# Altium PCB CL-HC-M-V2.2.PcbDoc (part 3 of 18) (continued)
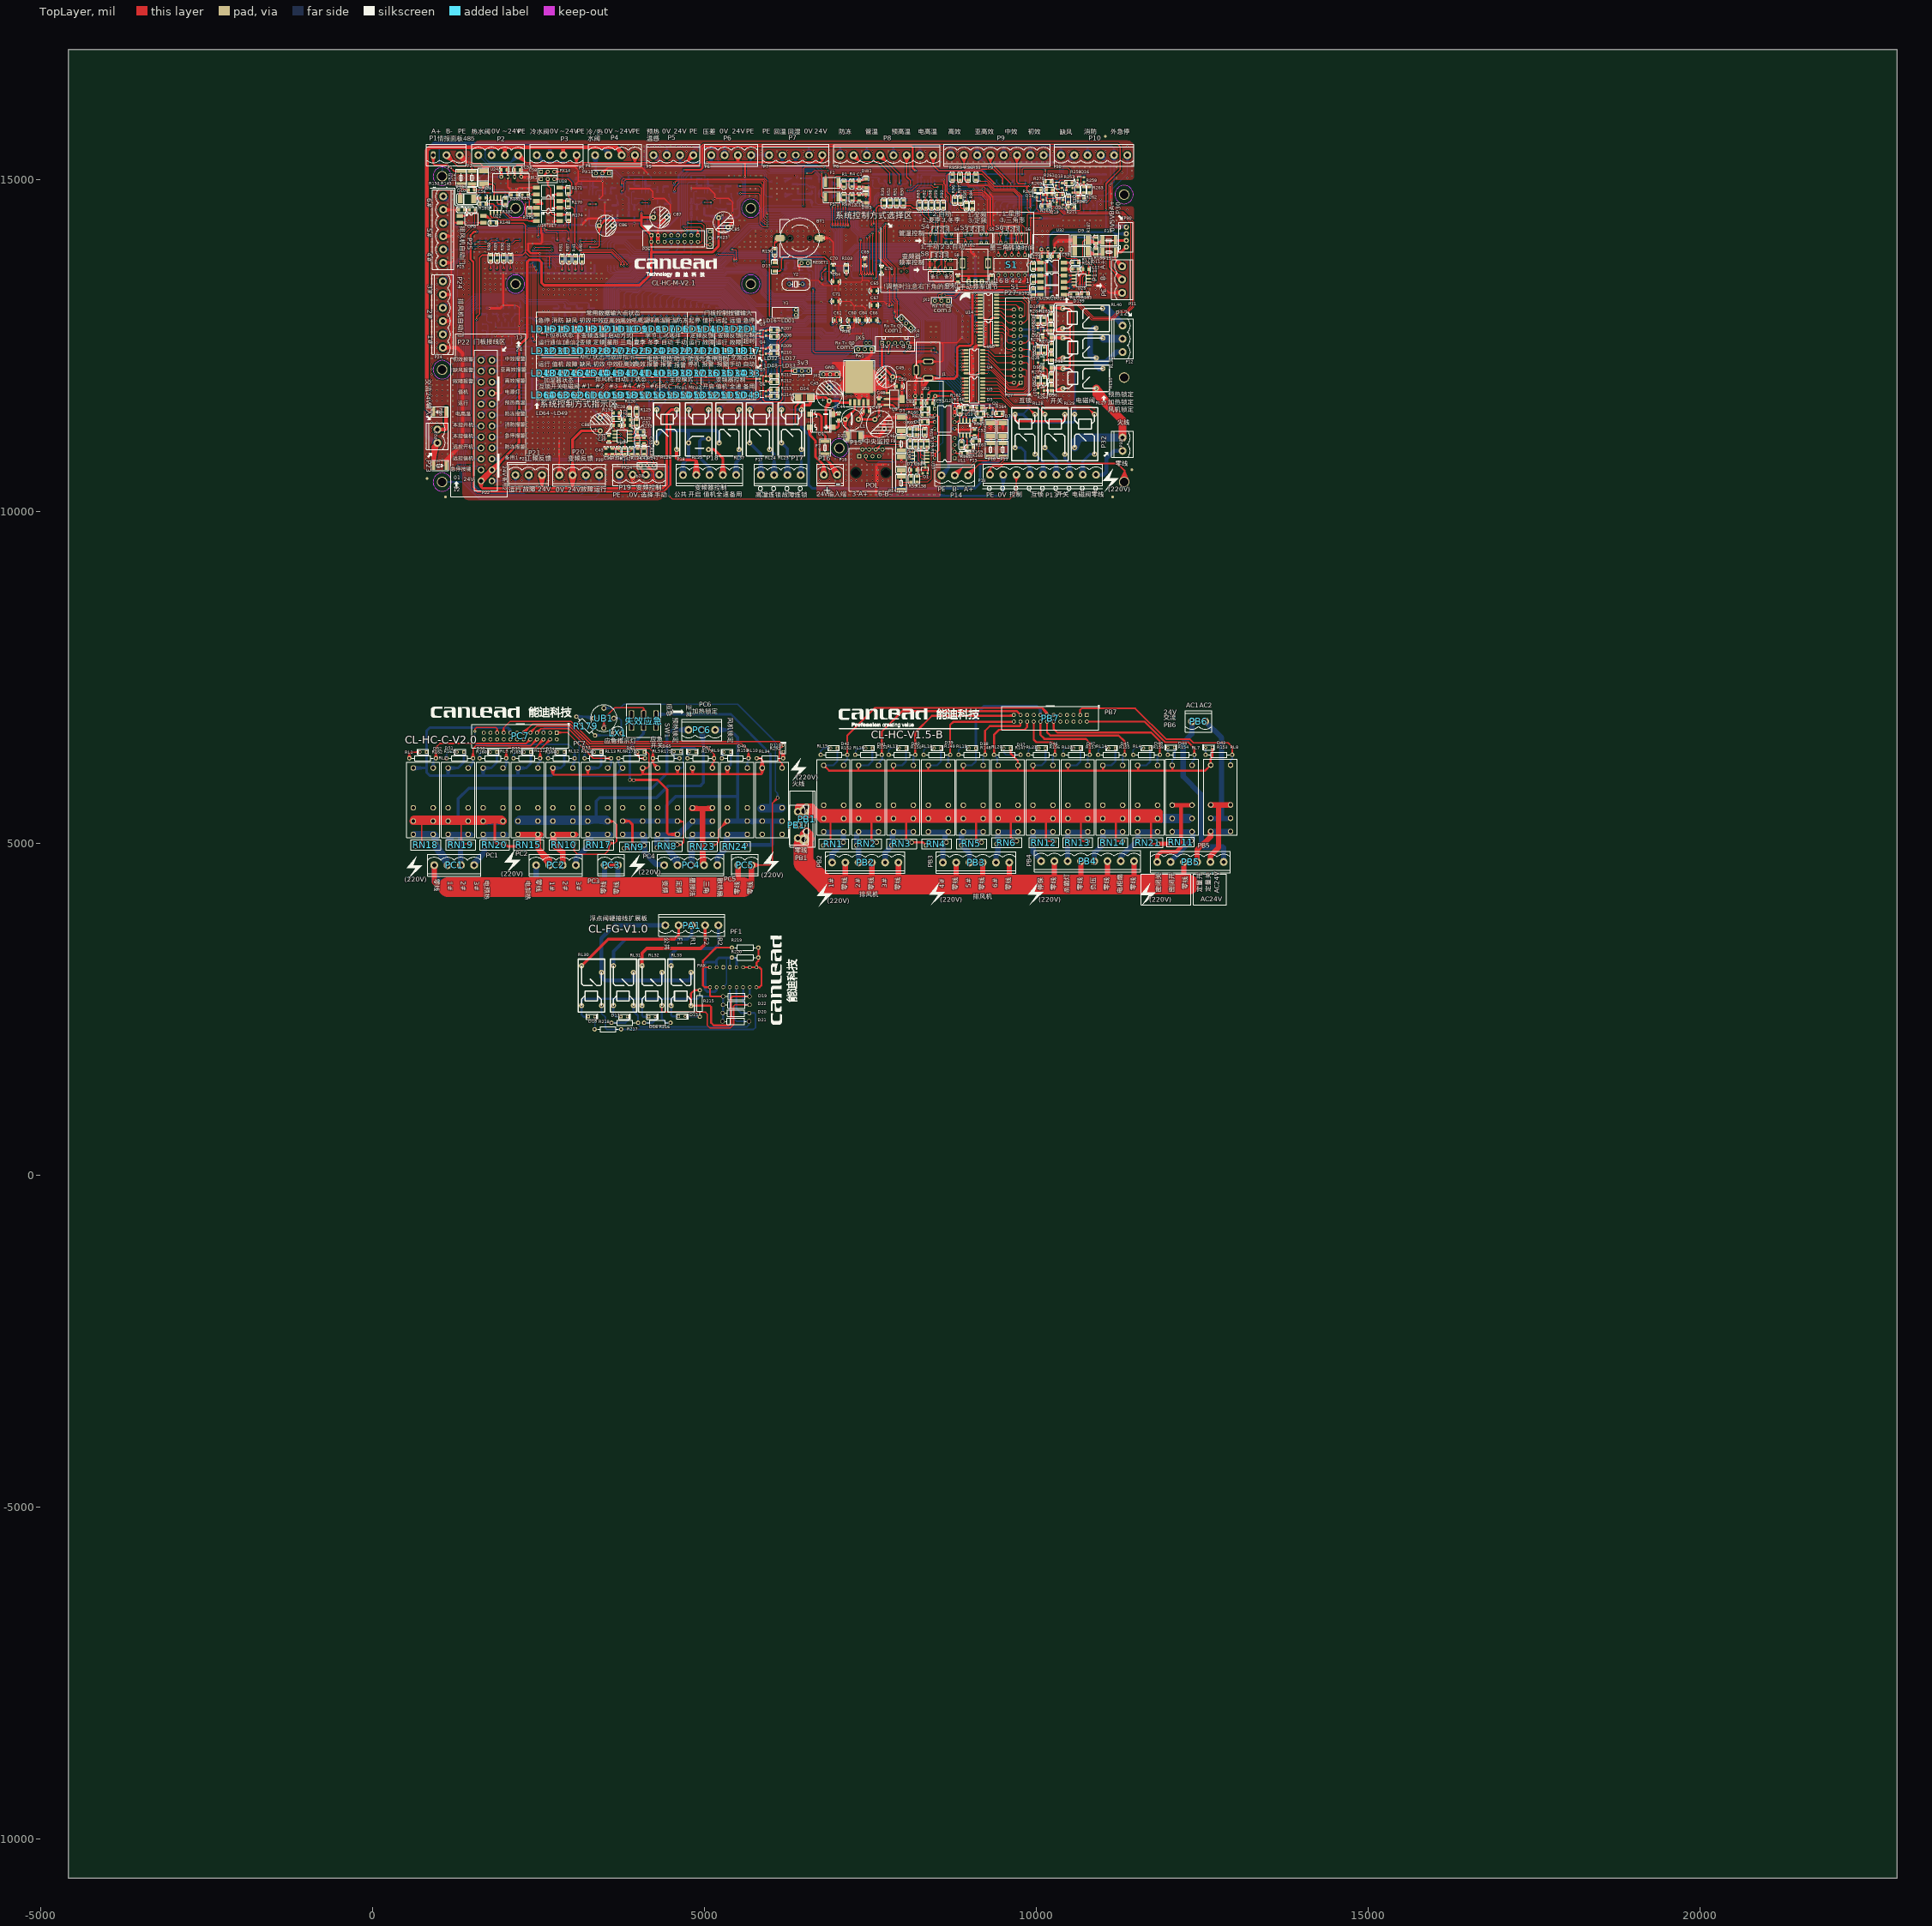
[diagram p0: TopLayer view]
## Nets (pads, with @x,y where several pads share a name; then routed paths per layer and width w, separated by ;. In a path a pad name is that pad's centre, name@x,y a point inside that pad or via, vN(x,y) a via of type N, cw(c..) or ccw(c..) an arc to the next point about the centre after c; other vN are vias at no path point) (continued)
3V-初效: OP1.14 R44.1 U31.12 | length 1269.9
  BottomLayer w10: U31.12@10161.77,14640.37 10171.61,14667.26 ; U31.12@10163.72,14582.48 10198.82,14545.55 ; U31.12@10171.61,14638.63 10171.61,14667.26 ; U31.12@10180.55,14593.11 10198.82,14545.55 ; U31.12@10181.46,14640.37 10171.61,14667.26 ; R44.1@10184.06,14506.77 10198.82,14545.55 ; R44.1@10198.82,14504.06 10198.82,14545.55 ; R44.1@10213.57,14506.77 10198.82,14545.55 ; OP1.14@10654.01,14605.24 10663.86,14632.21 ; OP1.14@10663.86,14573.5 10663.86,14632.21 ; OP1.14@10663.86,14603.5 10663.86,14632.21 ; OP1.14@10673.71,14605.24 10663.86,14632.21 ; 10171.61,14572.75 U31.12@10171.61,14613.63 10171.61,14667.26 ; 10171.61,14572.75 10198.82,14545.55 ; 10171.61,14572.75 10181.1,14585.48 10171.61,14572.75 ; 10171.61,14572.75 10162.12,14585.48 10171.61,14572.75 ; 10171.61,14572.75 U31.12@10171.61,14588.63 ; 10171.61,14572.75 U31.12@10171.61,14588.63 ; U31.12@10171.61,14588.63 10198.82,14545.55 ; 10171.61,14667.26 10204.01,14699.66 10462.67,14699.66 10511.85,14650.48 10645.59,14650.48 10663.86,14632.21
3V-初效报警灯: U8.2 U33.19 | length 5978.7
  BottomLayer w10: U8.2@2557.38,12386.08 2642.33,12386.08 2735.83,12292.58 3413.77,12292.58 3505.28,12384.09 3505.28,13400.09 3656.62,13551.43 3901.37,13551.43 3979.17,13629.23 5288.91,13629.23 5319,13659.32 5824.93,13659.32 5932.61,13551.65 5932.61,13317.8 6019.73,13230.68 6502.48,13230.68 6527.91,13205.26 U33.19@6841.28,13205.26 ; U8.2@2582.38,12386.08 2627.38,12386.08 ; U8.2@2583.49,12376.15 2627.38,12386.08 ; U8.2@2583.49,12396.02 2627.38,12386.08 ; 6776.28,13205.26 U33.19@6811.03,13205.26
3V-加湿器-加湿互锁: U3.7 U33.87 | length 3025.2
  TopLayer w10: v1@8876.07,11702.57 U3.7@8918.09,11700.06 ; v1@8876.07,11717.4 U3.7@8918.09,11719.92 ; v1@8879.59,11702.89 U3.7@8918.09,11719.92 ; v1@8879.59,11717.09 U3.7@8918.09,11700.06 ; U3.7@8944.27,11709.99 v1(8877.18,11709.99) ; v1(8877.18,11709.99) U3.7@8918.09,11700.06 ; v1(8877.18,11709.99) U3.7@8918.09,11719.92 ; v1(8877.18,11709.99) U3.7@8919.27,11709.99 ; U3.7@8919.27,11709.99 8877.85,11717.46 8919.68,11709.99 8877.84,11702.52 U3.7@8919.27,11709.99
  BottomLayer w10: U33.87@7695.61,13264.31 7966.01,13264.31 8349.64,12880.69 8544.97,12880.69 8570.07,12855.58 8570.07,12017.1 v1(8877.18,11709.99) 8843.47,11743.7 ; U33.87@7725.86,13264.31 7760.61,13264.31 ; v1@8871.48,11705.12 8843.47,11743.7 ; v1@8882.05,11715.69 8843.47,11743.7
3V-加湿器-加湿开关: U3.6 U33.86 | length 2998.3
  TopLayer w10: v1@8876.07,11752.57 U3.6@8918.09,11750.06 ; v1@8876.07,11767.4 U3.6@8918.09,11769.92 ; v1@8879.59,11752.89 U3.6@8918.09,11769.92 ; v1@8879.59,11767.09 U3.6@8918.09,11750.06 ; U3.6@8944.27,11759.99 v1(8877.18,11759.99) ; v1(8877.18,11759.99) U3.6@8918.09,11750.06 ; v1(8877.18,11759.99) U3.6@8918.09,11769.92 ; v1(8877.18,11759.99) U3.6@8919.27,11759.99 ; U3.6@8919.27,11759.99 8877.85,11767.46 8919.68,11759.99 8877.84,11752.52 U3.6@8919.27,11759.99
  BottomLayer w10: U33.86@7695.61,13284 7971.78,13284 8357.09,12898.69 8552.42,12898.69 8588.07,12863.04 8588.07,12049.1 v1(8877.18,11759.99) 8843.47,11793.7 ; U33.86@7725.86,13284 7760.61,13284 ; v1@8871.48,11755.12 8843.47,11793.7 ; v1@8882.05,11765.69 8843.47,11793.7
3V-加湿器-加湿电磁阀: U3.5 U33.85 | length 2971.4
  TopLayer w10: v1@8876.07,11802.57 U3.5@8918.09,11800.06 ; v1@8876.07,11817.4 U3.5@8918.09,11819.92 ; v1@8879.59,11802.89 U3.5@8918.09,11819.92 ; v1@8879.59,11817.09 U3.5@8918.09,11800.06 ; U3.5@8944.27,11809.99 v1(8877.18,11809.99) ; v1(8877.18,11809.99) U3.5@8918.09,11800.06 ; v1(8877.18,11809.99) U3.5@8918.09,11819.92 ; v1(8877.18,11809.99) U3.5@8919.27,11809.99 ; U3.5@8919.27,11809.99 8877.85,11817.46 8919.68,11809.99 8877.84,11802.52 U3.5@8919.27,11809.99
  BottomLayer w10: U33.85@7695.61,13303.68 7977.55,13303.68 8364.55,12916.69 8559.88,12916.69 8606.07,12870.49 8606.07,12081.1 v1(8877.18,11809.99) 8843.47,11843.7 ; U33.85@7725.86,13303.68 7760.61,13303.68 ; v1@8871.48,11805.12 8843.47,11843.7 ; v1@8882.05,11815.69 8843.47,11843.7
3V-加热1: U4.4 U33.75 | length 2745.9
  TopLayer w10: v1@8876.07,12276.01 U4.4@8918.09,12273.5 ; v1@8876.07,12290.84 U4.4@8918.09,12293.35 ; v1@8879.59,12276.32 U4.4@8918.09,12293.35 ; v1@8879.59,12290.53 U4.4@8918.09,12273.5 ; U4.4@8944.27,12283.43 v1(8877.18,12283.43) ; v1(8877.18,12283.43) U4.4@8918.09,12273.5 ; v1(8877.18,12283.43) U4.4@8918.09,12293.35 ; v1(8877.18,12283.43) U4.4@8919.27,12283.43 ; U4.4@8919.27,12283.43 8877.85,12290.9 8919.68,12283.43 8877.84,12275.95 U4.4@8919.27,12283.43
  BottomLayer w10: U33.75@7695.61,13500.53 7988.16,13500.53 8428.01,13060.69 8619.52,13060.69 8750.07,12930.14 8750.07,12303.63 8770.28,12283.43 v1(8877.18,12283.43) 8834.68,12283.43 ; U33.75@7725.86,13500.53 7760.61,13500.53 ; v1@8876.52,12275.95 8834.68,12283.43 ; v1@8876.52,12290.9 8834.68,12283.43
3V-加热2: U14.2 U33.50 | length 3222.5
  TopLayer w10: v1@9085.43,13210.08 U14.2@9127.45,13207.57 ; v1@9085.43,13224.91 U14.2@9127.45,13227.42 ; v1@9087.2,13210.02 9129.04,13217.5 v1@9087.2,13224.97 ; v1@9087.21,13210.03 U14.2@9128.64,13217.5 ; v1@9087.21,13224.97 U14.2@9128.64,13217.5 ; v1@9088.95,13210.39 U14.2@9127.45,13227.42 ; v1@9088.95,13224.6 U14.2@9127.45,13207.57 ; U14.2@9153.64,13217.5 v1(9086.54,13217.5) ; v1(9086.54,13217.5) U14.2@9127.45,13207.57 ; v1(9086.54,13217.5) U14.2@9127.45,13227.42 ; v1(9086.54,13217.5) U14.2@9128.64,13217.5
  BottomLayer w10: U33.50@7179.87,13622.58 7179.87,13856.51 7294.79,13971.44 8197.02,13971.44 8312.48,13855.98 8312.48,13589.17 8424.6,13477.05 8689.2,13477.05 8948.75,13217.5 v1(9086.54,13217.5) ; U33.50@7179.87,13652.83 7179.87,13687.58
3V-加热3: U4.6 U33.77 | length 2774.9
  TopLayer w10: v1@8876.07,12176.01 U4.6@8918.09,12173.5 ; v1@8876.07,12190.84 U4.6@8918.09,12193.35 ; v1@8879.59,12176.32 U4.6@8918.09,12193.35 ; v1@8879.59,12190.53 U4.6@8918.09,12173.5 ; U4.6@8944.27,12183.43 v1(8877.18,12183.43) ; v1(8877.18,12183.43) U4.6@8918.09,12173.5 ; v1(8877.18,12183.43) U4.6@8918.09,12193.35 ; v1(8877.18,12183.43) U4.6@8919.27,12183.43 ; U4.6@8919.27,12183.43 8877.85,12190.9 8919.68,12183.43 8877.84,12175.95 U4.6@8919.27,12183.43
  BottomLayer w10: U33.77@7695.61,13461.16 7976.62,13461.16 8413.09,13024.69 8604.61,13024.69 8714.07,12915.23 8714.07,12282.02 8812.67,12183.43 v1(8877.18,12183.43) 8834.68,12183.43 ; U33.77@7725.86,13461.16 7760.61,13461.16 ; v1@8876.52,12175.95 8834.68,12183.43 ; v1@8876.52,12190.9 8834.68,12183.43
3V-变频: U3.1 U33.79 | length 3048.7
  TopLayer w10: v1@8876.08,12002.58 U3.1@8918.09,12000.06 ; v1@8876.08,12017.41 U3.1@8918.09,12019.92 ; v1@8877.85,12017.47 U3.1@8919.69,12009.99 ; v1@8877.86,12017.47 U3.1@8919.27,12009.99 ; v1@8879.6,12002.9 U3.1@8918.09,12019.92 ; v1@8879.6,12017.1 U3.1@8918.09,12000.06 ; U3.1@8944.27,12009.99 v1@8877.18,12009.99 ; v1@8877.18,12009.99 U3.1@8918.09,12000.06 ; v1@8877.18,12009.99 U3.1@8918.09,12019.92 ; v1@8877.18,12009.99 U3.1@8919.27,12009.99 ; v1(8877.19,12010) U3.1@8919.69,12009.99 ; v1(8877.19,12010) U3.1@8918.09,12000.06 ; v1(8877.19,12010) U3.1@8918.09,12019.92 ; v1(8877.19,12010) U3.1@8919.27,12009.99 ; U3.1@8919.27,12009.99 8877.86,12002.53 U3.1@8919.69,12009.99
  BottomLayer w10: U33.79@7695.61,13421.79 7965.08,13421.79 8398.18,12988.69 8589.7,12988.69 8678.07,12900.31 8678.07,12209.12 v1(8877.19,12010) 8843.48,12043.71 ; U33.79@7725.86,13421.79 7760.61,13421.79 ; v1@8871.49,12005.13 8843.48,12043.71 ; v1@8882.06,12015.7 8843.48,12043.71
3V-变频开启: U27.3 U33.92 | length 3727.7
  BottomLayer w10: U27.3@5951.01,12094.94 5960.95,12138.83 ; U27.3@5960.95,12068.83 5960.95,12145.63 6076.29,12260.97 7218.32,12260.97 7261.23,12303.88 8114.58,12303.88 8228.79,12418.08 8228.79,12857.69 7920.59,13165.89 U33.92@7695.61,13165.89 ; U27.3@5960.95,12093.83 5960.95,12138.83 ; U27.3@5970.89,12094.94 5960.95,12138.83 ; U33.92@7725.86,13165.89 7760.61,13165.89
3V-备用: U27.5 U33.90 | length 3745.6
  BottomLayer w10: U27.5@6051.01,12094.94 6060.95,12138.83 ; U27.5@6060.95,12068.83 6060.95,12148.33 6137.59,12224.97 7233.23,12224.97 7276.15,12267.88 8129.5,12267.88 8271.14,12409.53 8271.14,12875.24 7941.12,13205.26 U33.90@7695.61,13205.26 ; U27.5@6060.95,12093.83 6060.95,12138.83 ; U27.5@6070.89,12094.94 6060.95,12138.83 ; U33.90@7725.86,13205.26 7760.61,13205.26
3V-外急停开关: OP1.12 R43.1 R263.2 U31.13 | length 2505.8
  TopLayer w10: v1@10757.9,14668.29 10796.48,14696.3 v1@10768.47,14657.72 ; v1@10763.86,14661.5 v1(10762.77,14662.59) 10804.7,14704.52 R263.2@10804.7,14806.55 ; R263.2@10789.86,14804.3 10804.7,14756.55 R263.2@10819.53,14804.3
  BottomLayer w10: R43.1@10096.13,14507.2 10110.9,14547.03 ; R43.1@10110.9,14504.55 10110.9,14547.03 ; U31.13@10111.75,14587.01 10121.61,14557.74 ; U31.13@10111.72,14640.06 10121.61,14673.43 ; U31.13@10121.61,14588.63 10121.61,14557.74 ; U31.13@10121.61,14638.63 10121.61,14673.43 ; R43.1@10125.66,14507.2 10110.9,14547.03 ; U31.13@10131.48,14587.01 10121.61,14557.74 ; U31.13@10131.51,14640.06 10121.61,14673.43 ; OP1.12@10753.92,14604.61 10763.86,14648.5 ; v1@10755.27,14662.91 10757.16,14618.93 ; v1@10755.52,14660.64 10770.24,14620.33 ; v1@10760.94,14655.32 10716.09,14670.48 ; v1@10763.43,14670.06 10716.09,14670.48 ; OP1.12@10763.86,14573.5 v1@10763.86,14661.5 ; OP1.12@10763.86,14603.5 10763.86,14648.5 ; v1@10770.1,14661 10757.16,14618.93 ; v1@10770.24,14663.24 10770.24,14620.33 ; OP1.12@10773.8,14604.61 10763.86,14648.5 ; 10110.9,14547.03 10121.61,14557.74 ; 10121.61,14557.74 U31.13@10121.61,14613.63 10121.61,14673.43 ; 10121.61,14673.43 10167.84,14719.66 10470.96,14719.66 10520.13,14670.48 10754.88,14670.48 v1(10762.77,14662.59) ; 10716.09,14670.48 v1(10762.77,14662.59) ; v1@10755.71,14660.05 10763.86,14648.5 ; v1@10755.71,14660.05 10763.86,14648.5 ; v1@10755.71,14660.05 10763.86,14648.5 ; 10757.16,14618.93 v1(10762.77,14662.59) ; v1(10762.77,14662.59) 10763.86,14620.05 ; v1(10762.77,14662.59) 10763.86,14648.5 ; v1(10762.77,14662.59) 10770.24,14620.33 ; v1(10762.77,14662.59) 10763.86,14648.5 ; v1(10762.77,14662.59) 10763.86,14648.5 ; v1(10762.77,14662.59) 10763.86,14620.06 ; 10763.86,14620.05 10770.25,14662.12 10763.86,14620.06 ; 10763.86,14620.05 10755.32,14661.74 10763.86,14620.06 ; 10763.86,14648.5 v1@10770.13,14661.16 ; 10763.86,14648.5 v1@10770.13,14661.16 ; 10763.86,14648.5 v1@10770.13,14661.16
3V-外接急停报警: U25.6 U33.2 | length 6028.6
  BottomLayer w10: U25.6@2557.38,11716.61 2841.9,11716.61 3219.88,12094.58 3495.78,12094.58 3703.28,12302.08 3703.28,13318.08 3734.63,13349.43 3979.38,13349.43 4046.87,13416.92 5326.59,13416.92 5403.99,13339.52 5932.28,12811.22 6528.18,12811.22 6587.57,12870.61 U33.2@6841.28,12870.61 ; U25.6@2582.38,11716.61 2627.38,11716.61 ; U25.6@2583.49,11706.67 2627.38,11716.61 ; U25.6@2583.49,11726.54 2627.38,11716.61 ; 6776.28,12870.61 U33.2@6811.03,12870.61
3V-定量阀: U4.7 U33.78 | length 2789.3
  TopLayer w10: v1@8876.07,12126.01 U4.7@8918.09,12123.5 ; v1@8876.07,12140.84 U4.7@8918.09,12143.35 ; v1@8879.59,12126.32 U4.7@8918.09,12143.35 ; v1@8879.59,12140.53 U4.7@8918.09,12123.5 ; U4.7@8944.27,12133.43 v1(8877.18,12133.43) ; v1(8877.18,12133.43) U4.7@8918.09,12123.5 ; v1(8877.18,12133.43) U4.7@8918.09,12143.35 ; v1(8877.18,12133.43) U4.7@8919.27,12133.43 ; U4.7@8919.27,12133.43 8877.85,12140.9 8919.68,12133.43 8877.84,12125.95 U4.7@8919.27,12133.43
  BottomLayer w10: U33.78@7695.61,13441.48 7970.85,13441.48 8405.64,13006.69 8597.16,13006.69 8696.07,12907.77 8696.07,12271.42 8834.06,12133.43 v1(8877.18,12133.43) 8834.68,12133.43 ; U33.78@7725.86,13441.48 7760.61,13441.48 ; v1@8876.52,12125.95 8834.68,12133.43 ; v1@8876.52,12140.9 8834.68,12133.43
3V-定频: U3.2 U33.80 | length 2906.9
  TopLayer w10: v1@8876.07,11952.57 U3.2@8918.09,11950.06 ; v1@8876.07,11967.4 U3.2@8918.09,11969.92 ; v1@8879.59,11952.89 U3.2@8918.09,11969.92 ; v1@8879.59,11967.09 U3.2@8918.09,11950.06 ; U3.2@8944.27,11959.99 v1(8877.18,11959.99) ; v1(8877.18,11959.99) U3.2@8918.09,11950.06 ; v1(8877.18,11959.99) U3.2@8918.09,11969.92 ; v1(8877.18,11959.99) U3.2@8919.27,11959.99 ; U3.2@8919.27,11959.99 8877.85,11967.46 8919.68,11959.99 8877.84,11952.52 U3.2@8919.27,11959.99
  BottomLayer w10: U33.80@7695.61,13402.11 7959.3,13402.11 8390.73,12970.69 8582.24,12970.69 8660.07,12892.86 8660.07,12177.1 v1(8877.18,11959.99) 8843.47,11993.7 ; U33.80@7725.86,13402.11 7760.61,13402.11 ; v1@8871.48,11955.12 8843.47,11993.7 ; v1@8882.05,11965.69 8843.47,11993.7
3V-密闭阀: U4.5 U33.76 | length 2758.4
  TopLayer w10: v1@8876.07,12226.01 U4.5@8918.09,12223.5 ; v1@8876.07,12240.84 U4.5@8918.09,12243.35 ; v1@8879.59,12226.32 U4.5@8918.09,12243.35 ; v1@8879.59,12240.53 U4.5@8918.09,12223.5 ; U4.5@8944.27,12233.43 v1(8877.18,12233.43) ; v1(8877.18,12233.43) U4.5@8918.09,12223.5 ; v1(8877.18,12233.43) U4.5@8918.09,12243.35 ; v1(8877.18,12233.43) U4.5@8919.27,12233.43 ; U4.5@8919.27,12233.43 8877.85,12240.9 8919.68,12233.43 8877.84,12225.95 U4.5@8919.27,12233.43
  BottomLayer w10: U33.76@7695.61,13480.85 7982.39,13480.85 8420.55,13042.69 8612.07,13042.69 8732.07,12922.68 8732.07,12296.18 8794.82,12233.43 v1(8877.18,12233.43) 8834.68,12233.43 ; U33.76@7725.86,13480.85 7760.61,13480.85 ; v1@8876.52,12225.95 8834.68,12233.43 ; v1@8876.52,12240.9 8834.68,12233.43
3V-排风机1: OP5.10 R91.1 U28.3 | length 1200.4
  TopLayer w10: R91.1@2062.54,13776.11 2077.38,13728.36 R91.1@2092.21,13776.11 ; v1@2069.9,13654.02 2077.38,13695.86 v1@2084.85,13654.02 ; v1(2077.38,13653.36) R91.1@2077.38,13778.36
  BottomLayer w10: OP5.10@2067.87,13731.54 2077.76,13763.35 ; v1@2069.9,13654.02 2077.38,13695.86 v1@2084.85,13654.02 ; v1@2070.11,13655.21 OP5.10@2077.76,13670.04 ; v1@2070.35,13650.72 OP5.10@2068.15,13667.26 ; OP5.10@2072.47,13659.03 OP5.10@2087.23,13666.82 ; OP5.10@2077.38,13718.36 v1(2077.38,13653.36) ; OP5.10@2077.76,13700.04 2077.76,13763.35 ; OP5.10@2077.76,13730.04 2077.76,13763.35 ; OP5.10@2082.53,13658.8 OP5.10@2068.15,13667.26 ; v1@2084.27,13650.4 OP5.10@2087.23,13666.82 ; v1@2084.72,13654.87 OP5.10@2077.76,13670.04 ; OP5.10@2087.65,13731.54 2077.76,13763.35 ; U28.3@2316.58,13778.42 2272.69,13788.36 ; U28.3@2316.58,13798.3 2272.69,13788.36 ; U28.3@2317.69,13788.36 2272.69,13788.36 ; U28.3@2342.69,13788.36 2102.77,13788.36 2077.76,13763.35 ; OP5.10@2068.15,13667.26 v1(2077.38,13653.36) ; OP5.10@2068.15,13667.26 v1(2077.38,13653.36) ; v1(2077.38,13653.36) OP5.10@2087.23,13666.82 ; v1(2077.38,13653.36) OP5.10@2077.76,13670.04
3V-排风机2: OP5.12 R90.1 U28.4 | length 1312.1
  TopLayer w10: R90.1@1962.54,13776.11 1977.38,13728.36 R90.1@1992.21,13776.11 ; v1@1969.9,13654.02 1977.38,13695.86 v1@1984.85,13654.02 ; v1(1977.38,13653.36) R90.1@1977.38,13778.36
  BottomLayer w10: OP5.12@1967.89,13731.66 1977.76,13760.85 ; v1@1969.9,13654.02 1977.38,13695.86 v1@1984.85,13654.02 ; v1@1970.11,13655.21 OP5.12@1977.76,13670.04 ; v1@1970.35,13650.72 OP5.12@1968.15,13667.26 ; OP5.12@1972.47,13659.03 OP5.12@1987.23,13666.82 ; OP5.12@1977.38,13718.36 v1(1977.38,13653.36) ; OP5.12@1977.76,13700.04 1977.76,13760.85 ; OP5.12@1977.76,13730.04 1977.76,13760.85 ; OP5.12@1982.53,13658.8 OP5.12@1968.15,13667.26 ; v1@1984.27,13650.4 OP5.12@1987.23,13666.82 ; v1@1984.72,13654.87 OP5.12@1977.76,13670.04 ; OP5.12@1987.63,13731.66 1977.76,13760.85 ; U28.4@2316.58,13828.42 2272.69,13838.36 ; U28.4@2316.58,13848.3 2272.69,13838.36 ; U28.4@2317.69,13838.36 2272.69,13838.36 ; U28.4@2342.69,13838.36 2231.57,13838.36 2201.57,13808.36 2025.27,13808.36 1977.76,13760.85 ; OP5.12@1968.15,13667.26 v1(1977.38,13653.36) ; OP5.12@1968.15,13667.26 v1(1977.38,13653.36) ; v1(1977.38,13653.36) OP5.12@1987.23,13666.82 ; v1(1977.38,13653.36) OP5.12@1977.76,13670.04
3V-排风机3: OP5.14 R89.1 U28.5 | length 1483.9
  TopLayer w10: R89.1@1862.54,13776.11 1877.38,13728.36 R89.1@1892.21,13776.11 ; v1@1869.9,13654.02 1877.38,13695.86 v1@1884.85,13654.02 ; v1(1877.38,13653.36) R89.1@1877.38,13778.36
  BottomLayer w10: OP5.14@1867.82,13731.15 1877.76,13775.04 ; v1@1869.9,13654.02 1877.38,13695.86 v1@1884.85,13654.02 ; v1@1870.11,13655.21 OP5.14@1877.76,13670.04 ; v1@1870.35,13650.72 OP5.14@1868.15,13667.26 ; OP5.14@1872.47,13659.03 OP5.14@1887.23,13666.82 ; OP5.14@1877.38,13718.36 v1(1877.38,13653.36) ; OP5.14@1877.76,13700.04 1877.76,13775.37 1930.75,13828.36 2192.66,13828.36 2252.66,13888.36 U28.5@2342.69,13888.36 ; OP5.14@1877.76,13730.04 1877.76,13775.04 ; OP5.14@1882.53,13658.8 OP5.14@1868.15,13667.26 ; v1@1884.27,13650.4 OP5.14@1887.23,13666.82 ; v1@1884.72,13654.87 OP5.14@1877.76,13670.04 ; OP5.14@1887.7,13731.15 1877.76,13775.04 ; U28.5@2316.58,13878.42 2272.69,13888.36 ; U28.5@2316.58,13898.3 2272.69,13888.36 ; U28.5@2317.69,13888.36 2272.69,13888.36 ; OP5.14@1868.15,13667.26 v1(1877.38,13653.36) ; OP5.14@1868.15,13667.26 v1(1877.38,13653.36) ; v1(1877.38,13653.36) OP5.14@1887.23,13666.82 ; v1(1877.38,13653.36) OP5.14@1877.76,13670.04
3V-排风机4: OP5.16 R88.1 U28.6 | length 1523.6
  TopLayer w10: R88.1@1762.93,13776.11 1777.76,13728.36 R88.1@1792.59,13776.11 ; v1@1770.29,13654.02 1777.76,13695.86 v1@1785.23,13654.02 ; v1(1777.76,13653.36) R88.1@1777.76,13778.36
  BottomLayer w10: OP5.16@1767.88,13731.57 1777.76,13762.67 ; v1@1770.29,13654.02 1777.76,13695.86 v1@1785.23,13654.02 ; v1@1770.45,13655.04 OP5.16@1777.76,13670.04 ; v1@1770.8,13650.56 OP5.16@1768.22,13667.04 ; OP5.16@1772.73,13658.92 OP5.16@1787.3,13667.04 ; OP5.16@1777.76,13730.04 1777.76,13762.67 ; OP5.16@1782.79,13658.92 OP5.16@1768.22,13667.04 ; v1@1784.72,13650.56 OP5.16@1787.3,13667.04 ; v1@1785.07,13655.04 OP5.16@1777.76,13670.04 ; OP5.16@1787.64,13731.57 1777.76,13762.67 ; U28.6@2316.57,13928.42 2273.18,13938.36 ; U28.6@2316.57,13948.29 2273.18,13938.36 ; U28.6@2317.69,13938.36 2273.18,13938.36 ; U28.6@2342.69,13938.36 2273.18,13938.36 ; OP5.16@1768.22,13667.04 v1(1777.76,13653.36) ; v1(1777.76,13653.36) OP5.16@1777.76,13700.04 1777.76,13762.67 ; v1(1777.76,13653.36) OP5.16@1787.3,13667.04 ; v1(1777.76,13653.36) OP5.16@1777.76,13670.04 ; 1777.76,13762.67 1863.45,13848.36 2183.18,13848.36 2273.18,13938.36
3V-排风机5: OP4.14 R87.1 U28.13 | length 1566.9
  TopLayer w10: R87.1@2942.54,13762.38 2957.38,13714.63 R87.1@2972.21,13762.38 ; v1@2949.9,13639.02 2957.38,13680.86 v1@2964.85,13639.02 ; v1(2957.38,13638.36) R87.1@2957.38,13764.63
  BottomLayer w10: U28.13@2592.69,13838.36 2664.63,13838.36 2742.95,13760.04 2940.85,13760.04 ; U28.13@2617.69,13838.36 2662.69,13838.36 ; U28.13@2618.8,13828.42 2662.69,13838.36 ; U28.13@2618.8,13848.3 2662.69,13838.36 ; OP4.14@2943.01,13727.83 2940.85,13760.04 ; v1@2949.88,13638.15 OP4.14@2952.76,13670.04 ; v1@2949.9,13639.02 2957.38,13680.86 v1@2964.85,13639.02 ; v1@2950.18,13640.48 OP4.14@2962.76,13669.92 ; v1@2950.31,13635.85 OP4.14@2943.21,13667.07 ; OP4.14@2952.76,13700.04 2952.76,13748.12 ; OP4.14@2957.38,13702.95 v1(2957.38,13638.36) ; OP4.14@2961.37,13735.12 2940.85,13760.04 ; v1@2963.67,13642.44 OP4.14@2943.21,13667.07 ; v1@2964.62,13640.3 OP4.14@2952.76,13670.04 ; v1@2964.87,13637.97 OP4.14@2962.76,13669.92 ; 2940.85,13760.04 2952.76,13748.12 ; 2940.85,13760.04 OP4.14@2952.76,13730.04 ; OP4.14@2943.21,13667.07 v1(2957.38,13638.36) ; OP4.14@2943.21,13667.07 v1(2957.38,13638.36) ; OP4.14@2952.76,13670.04 v1(2957.38,13638.36) ; OP4.14@2952.76,13730.04 2952.76,13748.12 ; OP4.14@2952.76,13730.04 2952.76,13748.12 ; 2952.76,13748.12 2943.15,13732.8 2952.76,13748.12 ; 2952.76,13748.12 2962.37,13732.8 2952.76,13748.12 ; v1(2957.38,13638.36) OP4.14@2962.76,13669.92
3V-排风机6: OP4.16 R81.1 U28.14 | length 1270.6
  TopLayer w10: R81.1@2842.54,13762.38 2857.38,13714.63 R81.1@2872.21,13762.38 ; v1@2849.9,13639.02 2857.38,13680.86 v1@2864.85,13639.02 ; v1(2857.38,13638.36) R81.1@2857.38,13764.63
  BottomLayer w10: U28.14@2592.69,13788.36 2686.53,13788.36 2774.85,13700.04 OP4.16@2852.76,13700.04 ; U28.14@2617.69,13788.36 2662.69,13788.36 ; U28.14@2618.8,13778.42 2662.69,13788.36 ; U28.14@2618.8,13798.3 2662.69,13788.36 ; v1@2849.88,13638.15 OP4.16@2852.76,13670.04 ; v1@2849.9,13639.02 2857.38,13680.86 v1@2864.85,13639.02 ; v1@2850.18,13640.48 OP4.16@2862.76,13669.92 ; v1@2850.31,13635.85 OP4.16@2843.21,13667.07 ; OP4.16@2851.65,13690.1 2807.76,13700.04 OP4.16@2851.65,13709.98 ; OP4.16@2857.38,13702.95 v1(2857.38,13638.36) ; v1@2863.67,13642.44 OP4.16@2843.21,13667.07 ; v1@2864.62,13640.3 OP4.16@2852.76,13670.04 ; v1@2864.87,13637.97 OP4.16@2862.76,13669.92 ; OP4.16@2843.21,13667.07 v1(2857.38,13638.36) ; OP4.16@2852.76,13670.04 v1(2857.38,13638.36) ; v1(2857.38,13638.36) OP4.16@2862.76,13669.92
3V-控制-排风机1: U14.1 U33.49 | length 3570.8
  TopLayer w10: v1@9085.44,13260.09 U14.1@9127.45,13257.57 ; v1@9085.44,13274.92 U14.1@9127.45,13277.42 ; v1@9088.96,13260.4 U14.1@9127.45,13277.42 ; v1@9088.97,13274.61 U14.1@9127.45,13257.57 ; U14.1@9153.64,13267.5 v1(9086.55,13267.51) ; v1(9086.55,13267.51) U14.1@9127.45,13257.57 ; v1(9086.55,13267.51) U14.1@9127.45,13277.42 ; v1(9086.55,13267.51) U14.1@9128.64,13267.5 ; v1(9086.55,13267.51) U14.1@9129.05,13267.5 ; v1(9086.55,13267.51) U14.1@9127.45,13257.57 ; v1(9086.55,13267.51) U14.1@9127.45,13277.42 ; v1(9086.55,13267.51) U14.1@9128.64,13267.5 ; U14.1@9128.64,13267.5 9087.22,13274.98 U14.1@9129.05,13267.5 ; U14.1@9128.64,13267.5 9087.22,13260.04 U14.1@9129.05,13267.5
  BottomLayer w10: U33.49@7160.18,13622.58 7160.18,13862.28 7287.33,13989.44 8204.47,13989.44 8330.48,13863.43 8330.48,13596.63 8432.06,13495.05 8696.66,13495.05 8956.21,13235.5 9054.54,13235.5 ; U33.49@7160.18,13652.83 7160.18,13687.58 ; v1@9080.83,13272.35 9054.54,13235.5 ; v1@9091.4,13261.78 9054.54,13235.5 ; 9054.54,13235.5 v1(9086.55,13267.51) 9054.54,13235.5
3V-控制-排风机2: U14.3 U33.53 | length 3291.5
  TopLayer w10: v1@9085.43,13160.08 U14.3@9127.45,13157.57 ; v1@9085.43,13174.91 U14.3@9127.45,13177.42 ; v1@9087.2,13160.02 9129.04,13167.5 v1@9087.2,13174.97 ; v1@9087.21,13160.03 U14.3@9128.64,13167.5 ; v1@9087.21,13174.97 U14.3@9128.64,13167.5 ; v1@9088.95,13160.39 U14.3@9127.45,13177.42 ; v1@9088.95,13174.6 U14.3@9127.45,13157.57 ; U14.3@9153.64,13167.5 v1(9086.54,13167.5) ; v1(9086.54,13167.5) U14.3@9127.45,13157.57 ; v1(9086.54,13167.5) U14.3@9127.45,13177.42 ; v1(9086.54,13167.5) U14.3@9128.64,13167.5
  BottomLayer w10: U33.53@7238.92,13622.58 7238.92,13847.64 7344.72,13953.44 8189.56,13953.44 8294.48,13848.52 8294.48,13581.72 8417.14,13459.05 8681.75,13459.05 8973.3,13167.5 v1(9086.54,13167.5) 9044.04,13167.5 ; U33.53@7238.92,13652.83 7238.92,13687.58 ; v1@9085.88,13160.02 9044.04,13167.5 ; v1@9085.88,13174.97 9044.04,13167.5
3V-控制-排风机3: U14.4 U33.54 | length 3274.2
  TopLayer w10: v1@9085.43,13110.08 U14.4@9127.45,13107.57 ; v1@9085.43,13124.91 U14.4@9127.45,13127.42 ; v1@9087.2,13110.02 9129.04,13117.5 v1@9087.2,13124.97 ; v1@9087.21,13110.03 U14.4@9128.64,13117.5 ; v1@9087.21,13124.97 U14.4@9128.64,13117.5 ; v1@9088.95,13110.39 U14.4@9127.45,13127.42 ; v1@9088.95,13124.6 U14.4@9127.45,13107.57 ; U14.4@9153.64,13117.5 v1(9086.54,13117.5) ; v1(9086.54,13117.5) U14.4@9127.45,13107.57 ; v1(9086.54,13117.5) U14.4@9127.45,13127.42 ; v1(9086.54,13117.5) U14.4@9128.64,13117.5
  BottomLayer w10: U33.54@7258.61,13622.58 7258.61,13841.87 7352.18,13935.44 8182.1,13935.44 8276.48,13841.07 8276.48,13574.26 8409.69,13441.05 8674.29,13441.05 8997.84,13117.5 v1(9086.54,13117.5) 9044.04,13117.5 ; U33.54@7258.61,13652.83 7258.61,13687.58 ; v1@9085.88,13110.02 9044.04,13117.5 ; v1@9085.88,13124.97 9044.04,13117.5
3V-控制-排风机4: U14.5 U33.55 | length 3257
  TopLayer w10: v1@9085.43,13060.08 U14.5@9127.45,13057.57 ; v1@9085.43,13074.91 U14.5@9127.45,13077.42 ; v1@9087.2,13060.02 9129.04,13067.5 v1@9087.2,13074.97 ; v1@9087.21,13060.03 U14.5@9128.64,13067.5 ; v1@9087.21,13074.97 U14.5@9128.64,13067.5 ; v1@9088.95,13060.39 U14.5@9127.45,13077.42 ; v1@9088.95,13074.6 U14.5@9127.45,13057.57 ; U14.5@9153.64,13067.5 v1(9086.54,13067.5) ; v1(9086.54,13067.5) U14.5@9127.45,13057.57 ; v1(9086.54,13067.5) U14.5@9127.45,13077.42 ; v1(9086.54,13067.5) U14.5@9128.64,13067.5
  BottomLayer w10: U33.55@7278.29,13622.58 7278.29,13836.1 7359.63,13917.44 8174.65,13917.44 8258.48,13833.61 8258.48,13566.81 8402.23,13423.05 8666.84,13423.05 9022.39,13067.5 v1(9086.54,13067.5) 9044.04,13067.5 ; U33.55@7278.29,13652.83 7278.29,13687.58 ; v1@9085.88,13060.02 9044.04,13067.5 ; v1@9085.88,13074.97 9044.04,13067.5
3V-控制-排风机5: U14.6 U33.56 | length 3231.1
  TopLayer w10: v1@9085.43,13010.08 U14.6@9127.45,13007.57 ; v1@9085.43,13024.91 U14.6@9127.45,13027.42 ; v1@9087.2,13010.02 9129.04,13017.5 v1@9087.2,13024.97 ; v1@9087.21,13010.03 U14.6@9128.64,13017.5 ; v1@9087.21,13024.97 U14.6@9128.64,13017.5 ; v1@9088.95,13010.39 U14.6@9127.45,13027.42 ; v1@9088.95,13024.6 U14.6@9127.45,13007.57 ; U14.6@9153.64,13017.5 v1(9086.54,13017.5) ; v1(9086.54,13017.5) U14.6@9127.45,13007.57 ; v1(9086.54,13017.5) U14.6@9127.45,13027.42 ; v1(9086.54,13017.5) U14.6@9128.64,13017.5
  BottomLayer w10: U33.56@7297.98,13622.58 7297.98,13830.33 7367.09,13899.44 8167.19,13899.44 8240.48,13826.15 8240.48,13559.35 8394.78,13405.05 8659.38,13405.05 9046.93,13017.5 ; U33.56@7297.98,13652.83 7297.98,13687.58 ; v1@9085.83,13010.03 9046.93,13017.5 ; v1@9085.83,13024.96 9046.93,13017.5 ; 9046.93,13017.5 v1(9086.54,13017.5) 9046.93,13017.5
3V-控制-排风机6: U14.7 U33.57 | length 3339.4
  TopLayer w10: v1@9085.43,12960.08 U14.7@9127.45,12957.57 ; v1@9085.43,12974.91 U14.7@9127.45,12977.42 ; v1@9087.2,12960.02 9129.04,12967.5 v1@9087.2,12974.97 ; v1@9087.21,12960.03 U14.7@9128.64,12967.5 ; v1@9087.21,12974.97 U14.7@9128.64,12967.5 ; v1@9088.95,12960.39 U14.7@9127.45,12977.42 ; v1@9088.95,12974.6 U14.7@9127.45,12957.57 ; U14.7@9153.64,12967.5 v1(9086.54,12967.5) ; v1(9086.54,12967.5) U14.7@9127.45,12957.57 ; v1(9086.54,12967.5) U14.7@9127.45,12977.42 ; v1(9086.54,12967.5) U14.7@9128.64,12967.5
  BottomLayer w10: U33.57@7317.66,13622.58 7317.66,13824.56 7374.54,13881.44 8159.74,13881.44 8222.48,13818.7 8222.48,13551.89 8387.32,13387.05 8651.92,13387.05 9071.48,12967.5 ; U33.57@7317.66,13652.83 7317.66,13687.58 ; v1@9082.01,12961.52 9043.5,12995.47 ; v1@9090.16,12974.07 9043.5,12995.47 ; 9043.5,12995.47 v1(9086.54,12967.5) ; 9071.48,12967.5 v1(9086.54,12967.5) ; 9071.48,12967.5 9084.68,12960.23 9071.48,12967.5 ; 9071.48,12967.5 9084.68,12974.76 9071.48,12967.5 ; 9071.48,12967.5 v1(9086.54,12967.5) ; 9071.48,12967.5 v1(9086.54,12967.5)
3V-故障联运输出: U27.6 U33.89 | length 3755.5
  BottomLayer w10: U27.6@6101.01,12094.94 6110.95,12138.83 ; U27.6@6110.95,12068.83 6110.95,12152.34 6165.57,12206.97 7240.68,12206.97 7283.6,12249.88 8136.95,12249.88 8291.99,12404.92 8291.99,12883.87 7950.92,13224.94 U33.89@7695.61,13224.94 ; U27.6@6110.95,12093.83 6110.95,12138.83 ; U27.6@6120.89,12094.94 6110.95,12138.83 ; U33.89@7725.86,13224.94 7760.61,13224.94
3V-散热扇: U3.4 U33.82 | length 2960.8
  TopLayer w10: v1@8876.07,11852.57 U3.4@8918.09,11850.06 ; v1@8876.07,11867.4 U3.4@8918.09,11869.92 ; v1@8879.59,11852.89 U3.4@8918.09,11869.92 ; v1@8879.59,11867.09 U3.4@8918.09,11850.06 ; U3.4@8944.27,11859.99 v1(8877.18,11859.99) ; v1(8877.18,11859.99) U3.4@8918.09,11850.06 ; v1(8877.18,11859.99) U3.4@8918.09,11869.92 ; v1(8877.18,11859.99) U3.4@8919.27,11859.99 ; U3.4@8919.27,11859.99 8877.85,11867.46 8919.68,11859.99 8877.84,11852.52 U3.4@8919.27,11859.99
  BottomLayer w10: U33.82@7695.61,13362.74 7946.7,13362.74 8374.75,12934.69 8567.33,12934.69 8624.07,12877.95 8624.07,12113.1 v1(8877.18,11859.99) 8843.47,11893.7 ; U33.82@7725.86,13362.74 7760.61,13362.74 ; v1@8871.48,11855.12 8843.47,11893.7 ; v1@8882.05,11865.69 8843.47,11893.7
3V-星三角: U3.3 U33.81 | length 2933.8
  TopLayer w10: v1@8876.07,11902.57 U3.3@8918.09,11900.06 ; v1@8876.07,11917.4 U3.3@8918.09,11919.92 ; v1@8879.59,11902.89 U3.3@8918.09,11919.92 ; v1@8879.59,11917.09 U3.3@8918.09,11900.06 ; U3.3@8944.27,11909.99 v1(8877.18,11909.99) ; v1(8877.18,11909.99) U3.3@8918.09,11900.06 ; v1(8877.18,11909.99) U3.3@8918.09,11919.92 ; v1(8877.18,11909.99) U3.3@8919.27,11909.99 ; U3.3@8919.27,11909.99 8877.85,11917.46 8919.68,11909.99 8877.84,11902.52 U3.3@8919.27,11909.99
  BottomLayer w10: U33.81@7695.61,13382.42 7952.47,13382.42 8382.2,12952.69 8574.79,12952.69 8642.07,12885.4 8642.07,12145.1 v1(8877.18,11909.99) 8843.47,11943.7 ; U33.81@7725.86,13382.42 7760.61,13382.42 ; v1@8871.48,11905.12 8843.47,11943.7 ; v1@8882.05,11915.69 8843.47,11943.7
3V-机组值机灯: U8.7 U33.12 | length 5817.9
  BottomLayer w10: U8.7@2557.38,12136.08 3097.73,12136.08 3164.23,12202.58 3451.05,12202.58 3595.28,12346.82 3595.28,13362.81 3674.08,13441.61 3692.07,13459.6 3936.82,13459.6 4007.41,13530.19 5385.78,13530.19 5784.89,13131.08 6471.69,13131.08 6535.31,13067.46 U33.12@6841.28,13067.46 ; U8.7@2582.38,12136.08 2627.38,12136.08 ; U8.7@2583.49,12126.15 2627.38,12136.08 ; U8.7@2583.49,12146.02 2627.38,12136.08 ; 6776.28,13067.46 U33.12@6811.03,13067.46